# KiCad board System-Controller.kicad_pcb (continued)
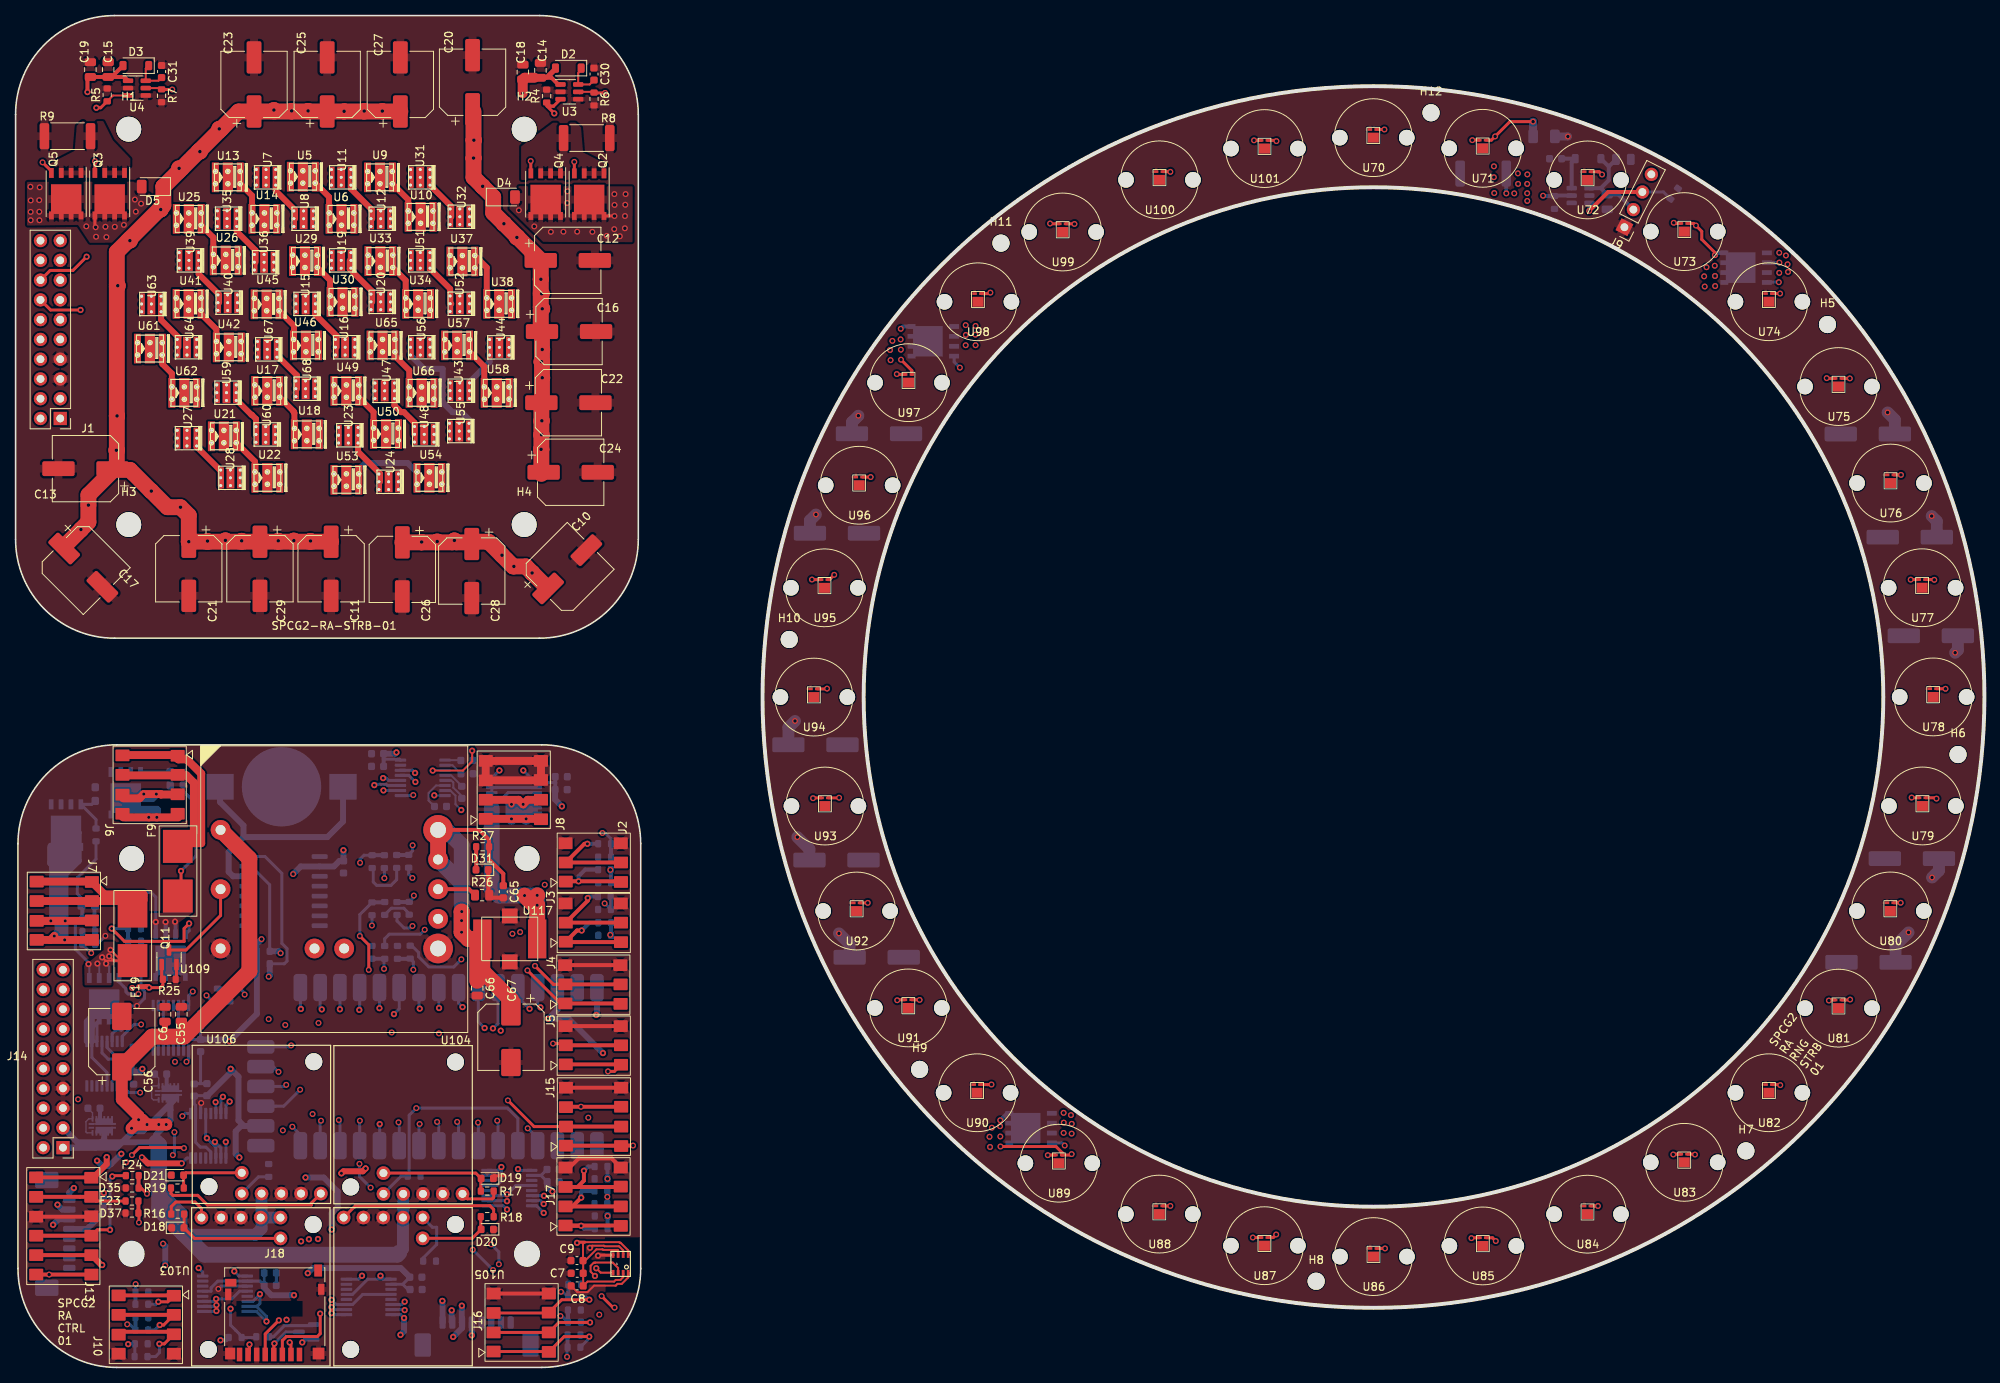
[diagram p0: board, top side]
## Routing (per net, layer and track width the routed paths; a pad name or vN(x,y) marks a point on that pad's centre or on a via; arc(x,y) is an arc through that point) (continued)
  Bottom w0.381: v1(49.99,8.45) 49.62,8.08 U114.14 ; v1(49.99,7.37) 49.92,7.43 U114.15 ; U114.16 49.47,6.78 v1(49.91,6.35)
  Bottom w0.762: v1(5.39,20.91) 6.01,20.29 J11.7 ; v1(49.45,4.19) 49.91,4.65 v1(49.91,6.35) ; J12.7 56.03,5.85 v1(56.03,7.34)
/LEDController/VLED3: length 168
  Top w0.508: J13.6 v2(4.32,11.93) J13.6
  In1.Cu w0.762: v2(4.32,11.93) 7.49,15.1 v1(7.49,23.05) 7.49,23.67 10.73,26.91 ; J14.13 11.03,38.53 11.03,33.74 10.73,33.43 10.73,26.91 ; v1(27.5,34.16) 34.94,34.16 43.21,25.89 43.21,25.76 44.65,24.32 44.65,22.62 46.55,20.72 53.45,20.72 54.83,19.34 v1(54.83,8.55) ; 10.73,26.91 10.73,26.82 v1(10.47,26.56) 11.06,25.97 12.05,25.97 13.53,27.45 v1(13.58,27.45) 14.38,28.24 20.11,28.24 v1(26.64,34.77)
  In2.Cu w0.762: v1(25.7,34.09) 25.7,33.9 20.04,28.24 14.38,28.24 v1(13.58,27.45) ; v1(25.7,34.09) 25.77,34.16 v1(27.5,34.16) 27.25,34.16 v1(26.64,34.77) 25.96,34.09 v1(25.7,34.09) ; v1(7.49,23.05) 7.49,23.62 10.43,26.56 v1(10.47,26.56) 10.47,27.29 12.84,29.66 12.84,36.73 J14.13
  Bottom w0.381: v1(26.64,34.77) 26.38,34.51 U115.15 ; U115.16 27.03,33.69 v1(27.5,34.16) ; v1(25.7,34.09) 25.73,34.06 U115.14
  Bottom w0.762: v1(54.83,8.55) 54.86,8.52 J12.8 ; v1(13.58,27.45) 12.25,26.12 12.16,26.12 11.95,25.9 11.13,25.9 v1(10.47,26.56) ; J11.8 6.91,22.47 v1(7.49,23.05)
/VioletRingIllumination/TRIG_IN: length 12.8
  Top w0.508: v2(202.16,148.6) 204.59,151.03 J9.3
  Bottom w0.381: J9.3 211.7,151.03 R10.1
  Bottom w0.508: U69.3 202.18,148.63 v2(202.16,148.6)
/VioletRingIllumination/VAnode: length 33.5
  Bottom w1.016: v2(199.42,158.16) 199.41,158.17 D7.1
  Bottom w1.524: v2(100.43,68.14) 101.98,66.59 C32.1 ; v2(105.78,55.77) 107.15,54.4 C37.1 ; C33.1 102.04,108.82 v2(102.82,109.59) ; v2(100.13,83.06) 99.28,82.21 C38.1 ; v2(249.17,91.83) 249.52,92.18 C44.1 ; v2(246.16,109.39) 246.81,108.74 C40.1 ; C43.1 247.09,63.84 v2(246.2,62.95) ; v2(108.27,122.28) 107.44,121.46 C35.1 ; C39.1 241.52,54.23 v2(243.18,55.89) ; v2(240.49,122.7) 241.42,121.77 C41.1
Net-(BT1-+): length 33.7
  Bottom w0.762: BT1.1 26.27,72.64 29.28,69.63 29.28,68.14 ; BT1.1 42.07,70.15 40.06,68.14 29.28,68.14 ; U110.14 29.76,63.11 27.94,63.11 27.38,63.67 27.38,66.24 29.28,68.14
Net-(D1-K): length 5.9
  Bottom w0.381: D1.1 9.79,72.35 Q1.4 10.34,70.39 R1.2
Net-(D2-K): length 4.6
  Top w0.254: 72.91,166.95 72.28,166.31 U3.6 73.75,164.85 C30.2
Net-(D3-K): length 4.3
  Top w0.254: D3.1 16.72,166.89 U4.6 18.36,165.33 C31.2
Net-(D4-A): length 1.4
  Top w0.381: v2(76.94,147.94) 76.92,147.95 Q2.5
  vias: v2(64.66,148.68) v2(66.64,146.61) v2(68.77,145.91) v2(70.38,145.93) v2(70.86,149.62) v2(70.89,151.12) v2(72.15,145.93) v2(74.1,145.91) v2(75.95,145.39) v2(76.93,150.76) v2(76.95,149.37) v2(76.91,146.26) v2(77.63,145.34) v2(78.28,146.37) v2(78.37,150.76) v2(78.33,149.39) v2(78.29,147.94)
Net-(D5-A): length 1.6
  Top w0.381: v2(10.29,146.5) 10.19,146.6 Q3.5
  vias: v2(1.91,151.7) v2(1.95,149.95) v2(1.94,148.47) v2(1.95,147.4) v2(3.04,149.98) v2(3.05,148.49) v2(3.07,147.4) v2(3.1,151.63) v2(9.09,146.62) v2(10.34,145.28) v2(11.55,146.56) v2(11.67,145.24) v2(12.75,146.56) v2(13.92,146.8) v2(15.33,150.06) v2(15.45,148.5) v2(16.13,149.53)
Net-(D6-K): length 5.7
  Bottom w0.508: C42.2 D6.1 199.91,154.86 U69.6
Net-(D7-A): length 46.1
  Top w0.381: U81.1 235.62,47.21 v2(235.68,47.27) ; v2(135.67,27.41) 135.55,27.29 U89.1 134.45,27.6 133.66,28.39 v2(126.53,28.39) ; U73.1 215.6,146.99 v2(215.87,146.72) 216.62,145.97 216.62,144.94 218.31,143.25 v2(218.31,142.92) ; U93.1 105.78,73.18 v2(105.8,73.2) ; v2(215.75,27.35) 215.7,27.4 U83.1 ; v2(190.16,16.24) 189.74,16.66 U85.1 ; v2(161.98,157.57) 161.89,157.66 U101.1 ; v2(246.49,101.2) 246.46,101.23 U77.1 ; v2(116.14,47.22) 116.12,47.24 U91.1 ; U75.1 235.64,127.08 v2(235.64,127.08) ; v2(113.75,129.48) 115.14,128.09 U97.1 ; v2(161.95,17.08) 161.56,16.69 U87.1 ; U99.1 136.01,146.94 v2(136.03,146.92) ; U79.1 246.67,73.19 v2(246.77,73.09) ; U95.1 104.55,101.22 v2(105.17,101.84) ; U71.1 189.59,157.69 v2(190.07,158.18) 191.97,160.07 v2(194.95,160.07)
  Bottom w0.508: 127.88,32.65 127.38,32.65 v2(126.5,31.76) ; Q6.5 114.01,133.75 v2(113.72,133.45) ; v2(218.31,142.92) 218.6,143.21 219.69,143.21
  Bottom w1.016: D7.2 v2(194.95,160.07)
  vias: v2(112.34,130.73) v2(112.41,129.42) v2(112.64,131.9) v2(113.7,132.09) v2(113.73,130.77) v2(125.12,29.64) v2(125.19,28.33) v2(125.42,30.81) v2(126.48,31) v2(126.51,29.68) v2(216.93,140.2) v2(217,138.89) v2(217.23,141.37) v2(218.29,141.56) v2(218.32,140.24) v2(218.34,138.95)
Net-(D12-A1): length 37.7
  In1.Cu w0.381: v1(51.32,76.39) 52.09,76.39 53.85,74.63 71.96,74.63 76.48,70.11 76.48,64 v2(76.41,63.93)
  Bottom w0.381: U102.14 50.99,76.73 v1(51.32,76.39)
  Bottom w0.508: F5.2 76.48,62.32 D12.1
Net-(D13-A1): length 37.5
  In1.Cu w0.381: v1(57.26,71.62) 62.77,71.62 63.14,71.25 68.17,71.25 69,70.42 69,63.04 v2(67.98,62.02)
  In2.Cu w0.381: v2(67.98,62.02) 72.03,57.97 74,57.97 v2(76.39,55.58)
  Bottom w0.254: v1(57.26,71.62) 56.51,72.36 56.51,73.47 55.86,74.13 U102.7
  Bottom w0.508: F7.2 76.51,55.53 D13.1
Net-(D14-A1): length 33.5
  In2.Cu w0.381: v2(75.39,68.67) 75.39,69.97 70.13,75.23 v1(51.36,75.23)
  Bottom w0.381: F6.2 76.49,67.93 75.75,68.67 v2(75.39,68.67) ; U102.13 50.52,76.08 v1(51.36,75.23)
  Bottom w0.508: F6.2 D14.1
Net-(D15-A1): length 37.4
  In1.Cu w0.381: v1(53.79,73.51) 54.19,73.1 71.57,73.1 71.57,67.72 75.68,63.62 v2(75.68,59.62)
  Bottom w0.254: U102.8 53.82,73.48 v1(53.79,73.51)
  Bottom w0.381: v2(75.68,59.62) 75.7,59.62 D15.1
  Bottom w0.508: F8.2 76.48,60.49 D15.1
Net-(D16-K): length 5.5
  Bottom w0.381: Q9.4 21.53,76.51 R13.2
Net-(D17-A): length 3.2
  Bottom w0.508: R14.2 16.06,56.42 C51.2 D17.2
Net-(D17-K): length 30.9
  Top w0.381: v1(21.26,63.79) 21.26,60.99 F9.2
  Bottom w0.381: D17.1 14.31,60.56 14.81,61.06 17.39,61.06 18.01,60.44 v1(18.01,57.24) ; R13.1 21.55,74.05 23.15,72.45 23.15,65.68 v1(21.26,63.79)
  Bottom w0.508: v1(19.27,57.24) 19.29,57.22 19.29,55.64 ; v1(18.01,57.24) 18.02,57.23 18.02,55.64 ; v1(20.49,57.28) 20.56,57.21 20.56,55.64 ; C51.1 14.51,59.38 D17.1
Net-(D18-A): length 14.8
  Top w0.381: 21.65,19.7 21.65,17.95 D18.2 22.99,16.58 U103.6 ; 21.56,19.69 21.48,19.76
Net-(D19-A): length 14.5
  Top w0.381: U104.6 59.12,24.97 D19.2 59.77,24.24 R17.1
Net-(D20-A): length 9.6
  Top w0.381: R18.1 59.77,17.79 D20.2 58.66,16.59 U105.6
Net-(D21-A): length 9.3
  Top w0.381: 21.61,23.05 21.58,23.08 D21.2 21.89,25.01 U106.6
Net-(D31-A): length 3
  Top w0.508: D31.2 59.17,63.96 R27.2
Net-(D36-A): length 3.4
  Bottom w0.508: D36.2 10.13,59.18 C3.2 10.13,56.08 R2.2
Net-(D36-K): length 35.1
  Top w0.254: v1(12.2,53.65) 13.58,52.27 F19.2 ; v1(11.12,52.69) 11.54,52.27 F19.2 ; F19.2 12.59,52.27 v1(12.03,52.83)
  Bottom w0.254: Q12.1 9.48,51.72 v1(9.37,51.83) ; Q12.3 12.02,51.5 v1(11.63,51.89) ; v1(10.51,51.89) 10.75,51.66 Q12.2
  Bottom w0.381: R1.1 10.34,65.33 7.93,62.92 7.93,60.86 8.48,60.31 D36.1 ; C3.1 7.87,57.58 7.68,57.39 7.68,53.73 9.37,52.03 v1(9.37,51.83)
  Bottom w0.508: D36.1 8.58,59.18 C3.1
Net-(J2-Pin_1): length 10.7
  Top w0.508: J2.1 70.71,62.46 v1(72.33,62.46) 77.7,62.46 J2.1
  Bottom w0.508: v1(72.33,62.46) 72.33,63.12 73.17,63.97 F5.1
Net-(J2-Pin_2): length 12.3
  Top w0.508: v1(73.46,67.28) 73.08,67.28 J2.2 J2.2
  Bottom w0.508: F6.1 73.47,67.29 v1(73.46,67.28)
Net-(J3-Pin_1): length 12.3
  Top w0.508: v1(72.73,56.14) 72.12,56.14 J3.1 70.73,54.65 J3.1
  Bottom w0.508: F7.1 73.73,57.14 v1(72.73,56.14)
Net-(J3-Pin_2): length 12.8
  Top w0.508: J3.2 J3.2 73.51,59.98 v1(73.51,60.32)
  Bottom w0.508: F8.1 73.7,60.51 v1(73.51,60.32)
Net-(J4-Pin_1): length 37.4
  Top w0.381: J4.1 70,46.77 v2(65.76,51.01)
  Top w0.508: J4.1 77.68,46.77 J4.1
  In4.Cu w0.381: v2(45.78,56.78) 49.09,53.47 50.26,53.47 52.72,51.01 v2(65.76,51.01)
  Bottom w0.381: v2(45.78,56.78) 45.79,56.79 F1.1
Net-(J4-Pin_2): length 34.9
  Top w0.381: v2(66.73,51.59) 69.1,49.22 J4.2
  Top w0.508: J4.2 J4.2
  In4.Cu w0.381: v2(66.73,51.59) 66.57,51.75 65.45,51.75 65.26,51.56 53.35,51.56 50.99,53.92 v2(50.99,56.72)
  Bottom w0.381: v2(50.99,56.72) 50.73,56.46 49.91,56.46 49,57.37 F2.1
Net-(J5-Pin_1): length 43.4
  Top w0.381: J5.1 76.93,38.04 v2(76.11,38.04)
  Top w0.508: J5.1 77.73,38.94 J5.1
  In3.Cu w0.381: 76.33,38.04 v2(76.11,38.04) 75.83,38.04 73.45,40.42 73.45,41.76 62.78,52.43 v2(57.27,52.43)
  Bottom w0.381: F3.1 50.9,54.19 51.79,53.3 51.79,52.76 53.09,51.46 56.3,51.46 v2(57.27,52.43)
Net-(J5-Pin_2): length 42.4
  Top w0.381: v2(69.05,41.61) 70.46,41.61 J5.2
  Top w0.508: J5.2 J5.2
  In3.Cu w0.381: v2(52.56,56.24) 52.02,55.7 52.02,55.68 51.55,55.21 51.55,52.95 55.09,49.41 55.09,47.53 58.05,44.57 66.09,44.57 v2(69.05,41.61)
  Bottom w0.381: v2(52.56,56.24) 51.99,55.67 48.01,55.67 47.42,55.08 F4.1
Net-(J6-Pin_1): length 41.8
  Top w1.016: 14.31,78.68 20.36,78.68 20.91,78.13 22.01,78.13 23.85,76.29 23.85,67.36 21.25,67.36 F9.1 21.9,68.01 23.22,68.01 22.91,68.32 22.91,75.12 21.96,76.07 14.2,76.07
Net-(J6-Pin_3): length 31.8
  Top w1.016: 20.91,70.68 v1(18.15,70.68) v1(17.11,70.68) 13.81,70.68 ; 20.48,73.61 18.7,73.61 18.64,73.67 v1(18.09,73.67) v1(16.47,73.67) 15.93,73.13 13.81,73.13
  Bottom w1.016: Q9.5 15.95,73.15 v1(16.47,73.67) ; Q9.5 17.57,73.15 v1(18.09,73.67) ; Q9.5 14.15,71 14,70.85 14.17,70.68 v1(17.11,70.68) ; Q9.5 15.65,71.65 18.13,71.65 18.15,71.63 v1(18.15,70.68)
Net-(J7-Pin_1): length 30
  Top w1.016: J7.2 J7.2 13.75,59.93 F19.1 16.43,60.05 16.43,60.78 11.41,60.78 J7.1 9.76,62.43 J7.1
Net-(J7-Pin_3): length 75.9
  Top w1.016: J7.4 4.48,54.93 ; 4.48,54.93 v1(6.31,54.93) J7.4 ; 4.48,54.93 v1(4.98,55.43) ; v1(6.38,57.38) 9.76,57.38 J7.3 ; v1(6.38,57.38) v1(4.53,57.38) J7.3 v1(6.38,57.38)
  Bottom w1.016: 7.11,65.99 Q1.5 6.48,67.52 Q1.5 ; 7.11,65.99 7.11,65.46 5.53,63.88 ; 7.11,65.99 7.98,65.13 ; 4.83,64.23 6.48,65.88 Q1.5 ; 4.83,64.23 5.22,64.62 5.22,66.36 ; 4.83,64.23 4.83,57.68 v1(4.53,57.38) ; 5.53,63.88 5.53,55.98 v1(4.98,55.43) ; 5.53,63.88 5.84,64.19 Q1.5 5.32,66.36 5.22,66.36 ; 5.53,63.88 4.57,64.83 Q1.5 ; Q1.5 7.67,68.99 7.98,68.68 7.98,65.13 ; Q1.5 5.22,67.73 5.22,66.36 ; 7.98,65.13 6.28,63.43 6.28,54.96 v1(6.31,54.93)
Net-(J10-Pin_1): length 10.9
  Top w0.381: v1(18.35,8.43) 19.56,8.43 J10.1
  Top w0.508: J10.1 20.29,9.26 J10.1
  Bottom w0.381: F20.1 18.03,8.12 v1(18.35,8.43)
Net-(J10-Pin_2): length 11.2
  Top w0.381: J10.2 19.03,5.45 v1(18.52,5.45)
  Top w0.508: J10.2 J10.2
  Bottom w0.381: F21.1 17.88,4.81 v1(18.52,5.45)
Net-(J10-Pin_3): length 12.6
  Top w0.381: v1(18.48,3.03) 19.11,3.03 J10.3
  Top w0.508: J10.3 20.01,4.58 13.61,4.58 J10.3
  Bottom w0.381: F22.1 17.98,1.39 18.48,1.89 v1(18.48,3.03)
Net-(J13-Pin_2): length 11.7
  Top w0.381: F23.2 10.28,21.38 J13.2
  Top w0.508: J13.2 J13.2
Net-(J13-Pin_4): length 18.7
  Top w0.381: F24.2 12.53,24.64 v1(12.43,24.54) ; J13.4 10.5,17.68 v1(12.14,17.68)
  Top w0.508: 9.64,17.04 J13.4 J13.4
  Bottom w0.381: v1(12.14,17.68) 12.14,24.25 v1(12.43,24.54)
Net-(J15-Pin_1): length 64.6
  Top w0.508: 79.31,28.49 v2(79.33,28.51) 77.86,28.51 J15.1 77.75,28.49 J15.1
  In2.Cu w0.381: v2(73.58,32.09) 73.58,47.18 v2(64.82,55.94)
  In4.Cu w0.381: v2(64.82,55.94) 64.9,56.02 64.91,56.02 64.91,57.84 59.67,63.08 51.16,63.08 v2(50.98,62.89) ; v2(79.33,28.51) 74.43,28.51 73.58,29.36 v2(73.58,32.09)
  Bottom w0.381: v2(50.98,62.89) 50.5,63.37 F10.1
Net-(J15-Pin_2): length 63.8
  Top w0.381: v2(63.25,34.31) 66.61,30.94 J15.2
  Top w0.508: 70.9,31.15 J15.2 J15.2
  In1.Cu w0.381: v2(63.25,34.31) 59.01,38.55 59.01,41.13 45.1,41.13 43.56,42.67 29.66,42.67 v2(24.53,47.8)
  Bottom w0.381: F11.1 25.3,47.03 v2(24.53,47.8)
Net-(J15-Pin_3): length 54.1
  Top w0.508: J15.3 v2(72.64,33.49) 70.75,33.49 J15.3 70.84,33.59
  In2.Cu w0.381: v2(63.83,55.72) 71.59,47.96 71.75,47.96 72.64,47.07 v2(72.64,33.49)
  In4.Cu w0.381: v2(63.83,55.72) 60.11,59.44 56.96,59.44 56.84,59.33 50.91,59.33 v2(47.38,62.86)
  Bottom w0.381: F12.1 v2(47.38,62.86)
Net-(J16-Pin_1): length 15
  Top w0.381: J16.1 68.46,2.04 J16.1 70.47,3.96 v1(73.7,3.96)
  Top w0.508: 68.49,1.98 J16.1
  Bottom w0.381: F13.1 73.7,3.73 v1(73.7,3.96)
Net-(J16-Pin_2): length 14.5
  Top w0.381: v1(73.8,5.78) 69.79,5.78 J16.2 J16.2
  Top w0.508: 68.26,4.74 J16.2
  Bottom w0.381: v1(73.8,5.78) 73.77,5.81 F14.1
Net-(J16-Pin_3): length 14.2
  Top w0.381: v1(73.71,8.7) 70.16,8.7 J16.3 68.46,6.99 J16.3
  Bottom w0.381: v1(73.71,8.7) 73.39,9.02 F15.1
Net-(J17-Pin_1): length 11
  Top w0.508: J17.1 77.7,18.23 J17.1 70.68,18.2 v1(72.66,18.2)
  Bottom w0.508: F16.1 73.02,17.84 v1(72.66,18.2)
Net-(J17-Pin_2): length 12.1
  Top w0.508: J17.2 J17.2 71.53,20.68 v1(72.67,21.82)
  Bottom w0.508: F17.1 72.74,22.68 72.67,22.6 v1(72.67,21.82)
Net-(J17-Pin_3): length 12.7
  Top w0.508: J17.3 77.7,23.18 J17.3 72.19,23.18 73.01,24.01 v1(73.01,25.27)
  Bottom w0.508: F18.1 73.56,25.81 v1(73.01,25.27)
Net-(J18-VDD): length 5.2
  Top w0.381: v1(33.25,3.07) 33.17,2.99 J18.4
  Bottom w0.381: Q14.3 34.74,4.56 v1(33.25,3.07)
Net-(Q2-G): length 23
  Top w0.254: R6.1 74.22,163.9 U3.5 72.47,163.71
  Top w0.381: v2(75.74,163.76) 74.35,163.76 R6.1 ; Q4.4 66.19,154.99 v2(66.18,155.01) ; Q2.4 71.78,154.9 v2(71.78,154.9)
  In1.Cu w0.381: v2(66.18,155.01) 71.67,155.01 v2(71.78,154.9) 75.74,158.86 v2(75.74,163.76)
Net-(Q3-G): length 30.8
  Top w0.254: R7.1 18.59,164.38 U4.5
  Top w0.381: v2(20.13,164.2) 18.77,164.2 R7.1 ; Q3.4 10.19,154.96 v2(10.21,154.98) ; Q5.4 4.6,153.71 v2(3.47,154.84)
  In1.Cu w0.381: v2(20.13,164.2) 20.02,164.09 14.11,164.09 11.92,161.9 11.26,161.9 11.26,156.03 v2(10.21,154.98) 10.07,154.84 v2(3.47,154.84)
Net-(Q6-G): length 274.9
  In2.Cu w1.016: v2(134.78,28.51) 134.11,28.51 129.05,33.57 124.21,33.57 121.09,36.69 121.09,40.07 114.78,46.38 114.78,49.88 111.31,49.88 107.55,53.64 107.55,64.3 104.59,67.26 104.59,74.77 102.55,76.81 102.55,89 106.53,92.98 106.53,113.66 107.21,114.34 107.21,114.84 109.09,116.72 111.59,116.72 121.31,126.44 v2(121.31,128.46) 121.31,128.51 119.26,130.56 119.26,133.5 121.81,136.05 121.81,139.24 124.64,142.07 138.14,142.07 146.17,150.1 152.22,150.1 154.73,152.61 154.73,152.85 177.05,152.85 183.71,159.51 193.24,159.51 195.84,156.91 195.84,150.94 v2(196.23,150.55) 197.52,150.55 200.9,147.17 203.5,147.17 206.43,144.24 215.99,144.24 216.39,144.64 216.77,144.26 220.8,144.26 224.51,140.55 224.51,140.16 225.18,139.49 226.47,139.49 v2(226.52,139.44)
  Bottom w0.381: Q7.4 134.45,28.84 v2(134.78,28.51) ; v2(226.52,139.44) 225.01,139.44 Q8.4 ; v2(121.31,128.46) 120.57,129.2 Q6.4
  Bottom w0.508: U69.5 197.76,150.57 R11.1 196.27,150.51 v2(196.23,150.55)
Net-(Q6-S-Pad1): length 4.1
  Bottom w0.508: v2(226.59,141.96) 226.55,141.93 225.05,141.93 ; R12.1 191.5,150.86 v2(191.51,150.85)
  vias: v2(122.06,133.92) v2(122.06,131.34) v2(122.08,132.66) v2(123.33,133.82) v2(123.31,132.7) v2(123.33,131.34) v2(134.64,32.71) v2(134.66,31.45) v2(134.64,30.13) v2(135.58,32.42) v2(135.67,30.04) v2(135.68,31.3) v2(189.92,154.33) v2(189.91,152.93) v2(189.96,150.89) v2(192.53,150.85) v2(193,153.42) v2(193.02,152.07) v2(194.21,153.29) v2(194.19,152.07) v2(194.19,150.87) v2(194.2,149.88) v2(226.57,143.22) v2(226.57,140.64) v2(227.43,142.87) v2(227.64,141.74) v2(227.7,140.76)
Net-(Q10-G): length 17.9
  Top w0.381: v1(12.35,56.39) 13.99,54.75 21.64,54.75 21.65,54.74 21.65,56.39 v1(22.3,57.04)
  Bottom w0.381: 21.83,55.64 22.3,56.11 v1(22.3,57.04) ; R14.1 12.36,56.38 v1(12.35,56.39)
  Bottom w0.508: R15.1 14.45,54.78 R14.1
Net-(Q11-D): length 11.8
  Top w0.381: Q11.3 21.89,53.63 26.34,58.08 U109.2
Net-(Q12-G): length 19
  In2.Cu w0.381: v2(9.72,53.24) 8.28,51.8 8.28,50.49 10.79,47.98 v2(15.78,47.98)
  Bottom w0.381: v2(9.72,53.24) R3.1 ; v2(15.78,47.98) 14.46,47.98 14.18,48.26 14.18,48.64 13.29,49.53 Q12.4
  Bottom w0.508: R3.1 R2.1
Net-(Q14-G): length 6.4
  Bottom w0.381: 32.57,3.94 33.12,3.94 34.55,5.37 38.15,5.37 Q14.1
Net-(U5-K): length 5.3
  Top w0.762: U6.2 40.27,150.39 U5.1
Net-(U7-K): length 5.3
  Top w0.762: U8.2 35.9,148.69 33.43,151.17 U7.1
Net-(U10-A): length 5.9
  Top w0.762: U9.1 50.45,150.04 U10.2
Net-(U11-K): length 5.4
  Top w0.762: U11.1 43.08,151.45 45.81,148.72 U12.2
Net-(U13-K): length 6
  Top w0.762: U14.2 30.38,150.56 U13.1
Net-(U15-K): length 6.7
  Top w0.762: U15.1 38.51,135.29 41.24,132.56 U16.2
Net-(U17-K): length 5.5
  Top w0.762: U18.2 35.82,122.66 35.72,122.76 35.72,122.86 U17.1
Net-(U19-K): length 6.5
  Top w0.762: U19.1 42.93,141.14 45.81,138.26 U20.2
Net-(U21-K): length 5.5
  Top w0.762: U21.1 30.75,116.41 U22.2
Net-(U23-K): length 7.2
  Top w0.762: U23.1 44,117.66 46.83,114.84 U24.2
Net-(U25-K): length 5.2
  Top w0.762: U26.2 25.4,145.19 U25.1
Net-(U27-K): length 7.4
  Top w0.762: U28.2 26.36,115.2 23.27,118.29 U27.1
Net-(U29-K): length 5.1
  Top w0.762: U29.1 40.4,139.69 U30.2
Net-(U31-K): length 5.2
  Top w0.762: U32.2 55.97,149.18 U31.1
Net-(U33-K): length 5.4
  Top w0.762: U33.1 50.12,139.67 U34.2
Net-(U35-K): length 5.6
  Top w0.762: U35.1 28.42,145.94 30.82,143.54 U36.2
Net-(U37-K): length 6.9
  Top w0.762: U37.1 60.53,141.32 U38.2
Net-(U39-K): length 5.5
  Top w0.762: U40.2 26.15,137.85 23.52,140.48 U39.1
Net-(U41-K): length 7.2
  Top w0.762: U42.2 25.8,133.39 23.82,135.37 U41.1
Net-(U43-K): length 7.6
  Bottom w0.762: U43.1 58.32,126.62 60.9,129.2 U44.2
Net-(U45-K): length 5.3
  Top w0.762: U46.2 35.77,131.39 35.77,133.84 U45.1
Net-(U47-K): length 6.9
  Top w0.762: U48.2 51.25,121.38 49.89,122.74 49.53,122.74 48.67,123.6 U47.1
Net-(U49-K): length 5.5
  Top w0.762: U49.1 45.99,122.75 U50.2
Net-(U51-K): length 6.7
  Top w0.762: U51.1 53.24,141.18 55.83,138.59 55.83,136.81 U52.2
Net-(U53-K): length 12.2
  Bottom w0.762: U54.2 51.58,114.99 50.36,116.21 45.26,116.21 45.08,116.39 44.08,115.39 U53.1
Net-(U55-K): length 18
  Bottom w0.762: U55.1 58.25,121.78 57.29,122.74 56.12,122.74 54.87,123.99 54.87,128.31 52.48,128.31 50.74,130.05 U56.2
Net-(U57-K): length 6.1
  Top w0.762: U58.2 60.21,128.6 U57.1
Net-(U59-K): length 6.5
  Top w0.762: U60.2 30.89,121.87 30.36,122.4 30.3,122.4 28.35,124.35 U59.1
Net-(U61-K): length 5.4
  Top w0.762: U61.1 18.85,128.94 20.08,127.71 U62.2
Net-(U63-K): length 6.5
  Top w0.762: U63.1 18.7,134.59 20.92,132.37 U64.2
Net-(U65-K): length 6.9
  Top w0.762: U65.1 48.73,129.96 50.57,128.12 U66.2
Net-(U67-K): length 6.1
  Top w0.762: U67.1 33.58,130.04 36.16,127.46 U68.2
Net-(U70-K): length 16.8
  Top w0.381: 175.86,159.07 v2(175.85,159.06) U70.1 ; U71.2 v2(187.14,157.69)
  In1.Cu w1.016: v2(175.85,159.06) 175.85,157.78 178.09,155.54 179.67,155.54 182.45,158.33 186.5,158.33 v2(187.14,157.69)
Net-(U72-K): length 20.9
  Top w0.381: U72.1 203.29,153.63 ; 203.29,153.63 203.31,153.61 ; 203.29,153.63 203.45,153.63 v2(203.81,153.27) ; v2(213.02,147.07) 213.1,146.99 U73.2
  In1.Cu w1.016: v2(213.02,147.07) 213.02,146.3 210.91,144.19 206.48,144.19 203.81,146.86 v2(203.81,153.27)
Net-(U74-K): length 15.5
  Top w0.381: U74.1 v2(226.68,137.98) 226.71,137.95 ; v2(232.67,127.11) 232.7,127.08 U75.2
  In1.Cu w1.016: v2(232.67,127.11) 226.68,133.1 v2(226.68,137.98)
Net-(U76-K): length 16
  Top w0.381: 242.22,114.69 v2(242.21,114.68) U76.1 ; v2(243.46,101.22) 243.47,101.23 U77.2
  In1.Cu w1.016: v2(242.21,114.68) 242.21,102.47 v2(243.46,101.22)
Net-(U78-K): length 17.9
  Top w0.381: U78.1 v2(247.93,87.2) 247.94,87.19 ; U79.2 243.61,73.19 v2(243.58,73.22)
  In1.Cu w1.016: v2(243.58,73.22) 243.58,82.85 v2(247.93,87.2)
Net-(U80-K): length 18.2
  Top w0.381: U80.1 v2(242.17,59.7) 242.21,59.66 ; v2(232.95,47.14) 233.02,47.21 U81.2
  In1.Cu w1.016: v2(242.17,59.7) 232.95,50.48 v2(232.95,47.14)
Net-(U82-K): length 19.9
  Top w0.381: v2(212.96,27.36) 213,27.4 U83.2 ; U82.1 226.74,36.34 226.74,36.31 v2(226.7,36.27)
  In1.Cu w1.016: v2(226.7,36.27) 226.7,35.7 223.5,32.5 218.1,32.5 v2(212.96,27.36)
Net-(U84-K): length 20.4
  Top w0.381: v2(187.03,16.61) 187.08,16.66 U85.2 ; U84.1 v2(203.28,20.74) 203.33,20.69
  In1.Cu w1.016: v2(203.28,20.74) 199.36,16.82 196.11,16.82 195.63,17.3 187.71,17.3 v2(187.03,16.61)
Net-(U86-K): length 21.4
  Top w0.381: U87.2 v2(158.95,16.69) ; U86.1 v2(175.93,15.29) 176.01,15.37
  In1.Cu w1.016: v2(158.95,16.69) 161.68,13.96 165.43,13.96 167.4,15.93 175.29,15.93 v2(175.93,15.29)
Net-(U88-K): length 20.5
  Top w0.381: 148.39,20.79 v2(148.35,20.75) U88.1 ; v2(132.61,27.27) 132.63,27.29 U89.2
  In1.Cu w1.016: v2(132.61,27.27) 138.49,21.39 147.71,21.39 v2(148.35,20.75)
Net-(U90-K): length 19.1
  Top w0.381: v2(125.37,36.35) 125.35,36.33 124.91,36.33 124.9,36.34 U90.1 ; v2(113.26,47.18) 113.32,47.24 U91.2
  In1.Cu w1.016: v2(125.37,36.35) 124.09,36.35 v2(113.26,47.18)
Net-(U92-K): length 18.5
  Top w0.381: U92.1 v2(109.48,59.69) 109.5,59.67 ; U93.2 102.49,73.18 v2(102.45,73.14)
  In1.Cu w1.016: v2(109.48,59.69) 109.48,60.94 102.45,67.97 v2(102.45,73.14)
Net-(U94-K): length 17.3
  Top w0.381: U94.1 104.21,87.18 v2(104.25,87.22) ; v2(102.31,101.23) 102.32,101.22 U95.2
  In1.Cu w1.016: v2(102.31,101.23) 104.25,99.29 v2(104.25,87.22)
Net-(U96-K): length 16.9
  Top w0.381: U96.1 v2(109.85,114.4) 109.92,114.47 ; v2(113.21,127.63) 113.26,127.58 U97.2
  In1.Cu w1.016: v2(113.21,127.63) 113.21,123.37 109.85,120.01 v2(109.85,114.4)
Net-(U98-K): length 16.2
  Top w0.381: v2(132.9,146.98) 132.94,146.94 U99.2 ; U98.1 125.1,137.97 v2(125.23,138.1)
  In1.Cu w1.016: v2(132.9,146.98) 132.9,142.8 131.11,141.01 128.14,141.01 v2(125.23,138.1)
Net-(U100-K): length 15.2
  Top w0.381: v2(159.1,157.67) 159.11,157.66 U101.2 ; v2(148.35,153.62) 148.33,153.64 U100.1
  In1.Cu w1.016: v2(159.1,157.67) 158.02,158.75 153.48,158.75 v2(148.35,153.62)
Net-(U102-C1+): length 2
  Bottom w0.254: U102.1 57.16,78.03 C45.2
Net-(U102-C1-): length 9.8
  Top w0.254: v1(53.59,76.69) 57.47,76.69 58.66,77.88 v1(58.66,79.24)
  Bottom w0.254: v1(58.66,79.24) 58.66,78.08 C45.1 ; v1(53.59,76.69) 53.62,76.73 U102.3
Net-(U102-C2+): length 2.8
  Bottom w0.254: U102.4 55.96,76.08 57.32,74.72 C46.2
Net-(U102-C2-): length 3.7
  Bottom w0.254: U102.5 55.97,75.43 56.23,75.16 56.23,74.5 57.32,73.42 C46.1
Net-(U102-V+): length 2.5
  Bottom w0.254: U102.2 56.12,77.38 C49.1
Net-(U102-V-): length 4.6
  Bottom w0.254: C50.2 53.06,72.83 53.06,73.81 54.02,74.78 U102.6
Net-(U109-SENSE(+)): length 59.1
  Top w0.508: C65.1 62.66,63.43 60.82,65.27 R27.1 60.82,67.79 59.54,69.07 U109.8
  Top w2.032: U109.8 U109.7 ; U117.1 59.96,50.93 63.64,47.25 C67.1 ; U117.1 58.16,55.06 v1(57.3,55.92) 57.3,58.55 v1(57.32,58.57) ; U117.1 59.31,54.4 C66.1
  Bottom w2.032: U109.8 55.31,69.07 57.32,67.06 57.32,62.22 ; v1(57.3,55.92) v1(57.3,57.41) 57.3,58.55 v1(57.32,58.57) 57.32,62.22 ; 57.32,62.22 U109.7
Net-(U109-TRIM): length 5.1
  Top w0.508: U109.6 58.26,61.45 R26.1

## Copper pours and planes (outline as drawn; the poured copper is in the pictures)
/DarkfieldColorAndIRIllumination/PGND on Top: -4.14,178.08 80.57,178.08 80.61,92.77 -4.49,92.77
/LEDController/GND on Top, Bottom, In1.Cu, In2.Cu, In3.Cu, In4.Cu: 81.84,-1.77 -1.71,-1.39 -1.56,82.31 81.99,82.08
/LEDController/Vin on Bottom: 18.77,35.15 21,35.15 21,29.75 10.25,29.75 10.26,30.94 13.09,30.94 18.77,33.99
/VioletRingIllumination/PGND on Bottom: 93.17,166.71 253.99,167.06 254.45,1.76 93.28,7.15
/DarkfieldColorAndIRIllumination/VAnodeColor on In4.Cu: -2.35,176.09 82.36,176.09 82.4,90.78 -2.7,90.78
/DarkfieldColorAndIRIllumination/VAnodeIR on In3.Cu: -3.47,177.01 81.24,177.01 81.28,91.7 -3.82,91.7
/LEDController/PowerInput/INA260/IN+ on Bottom: 17.63,53.87 17.62,49.26 17.34,47.78 17.36,45.79 19.19,45.77 19.16,47.7 19.54,48.63 21.04,49.28 21.05,53.92
/LEDController/PowerInput/INA260/IN- on Bottom: 17.35,41.54 19.17,41.55 19.17,40 19.94,38.97 21.02,36.88 21.01,35.4 18.75,35.39 18.75,38.33 17.36,39.21
/LEDController/PowerInput/INA269/IN- on Bottom: 8.92,36.91 10.65,36.91 10.66,35.31 12.48,33.07 12.5,31.19 10.29,31.17 10.27,33.71 8.93,34.85
/VioletRingIllumination/VAnode on Top: 94.47,166 255.29,166.35 255.75,1.05 94.58,6.44
Net-(D4-A) on Top: 63.47,151.79 79.28,151.76 79.27,144.58 67.79,144.62 63.46,148.85
Net-(D4-A) on In1.Cu: -1.68,175.37 83.03,175.37 83.07,90.06 -2.03,90.06
Net-(D5-A) on Top: 17.27,152.36 1.46,152.33 1.47,146.71 8.02,146.8 9.54,144.5 12.38,144.51 17.28,149.42
Net-(D5-A) on In2.Cu: -0.73,174.65 83.98,174.65 84.02,89.34 -1.08,89.34
Net-(D7-A) on Bottom: 221.6,143.54 218.04,143.53 215.11,139.87 215.09,138.43 221.57,138.38
Net-(D7-A) on Bottom: 117.01,134.07 113.45,134.06 110.52,130.4 110.52,128.68 117,128.63
Net-(D7-A) on Bottom: 129.79,32.98 126.23,32.97 123.3,29.31 123.3,27.59 129.78,27.54
Net-(D7-A) on In4.Cu: 92.08,167.53 252.9,167.88 253.36,2.58 92.19,7.97
Net-(D17-K) on Top, Bottom: 18.92,62.74 18.92,58.38 17.27,58.37 17.31,55.15 21.02,55.18 20.96,57.14 22.77,58.47 22.77,62.69 18.95,62.7
Net-(D36-K) on Top: 8.87,49.09 8.82,51.59 11.32,53.64 11.32,54.69 16.37,54.69 16.42,51.64 12.32,51.64 12.32,49.09
Net-(D36-K) on Bottom: 8.88,49.08 8.83,51.58 11.33,53.63 11.33,54.68 16.38,54.68 16.43,51.63 12.33,51.63 12.33,49.08
Net-(J7-Pin_3) on Bottom: 1.73,58.38 7.38,58.38 7.33,53.63 1.73,53.68
Net-(Q2-S-Pad1) on Top: 69.1,159.93 71.92,159.95 72.64,159.35 72.91,156.12 76.39,154.34 76.45,152.6 64.94,152.57 64.95,156.89 69.06,159.95
